# KiCad board PCB0210.kicad_pcb (continued)
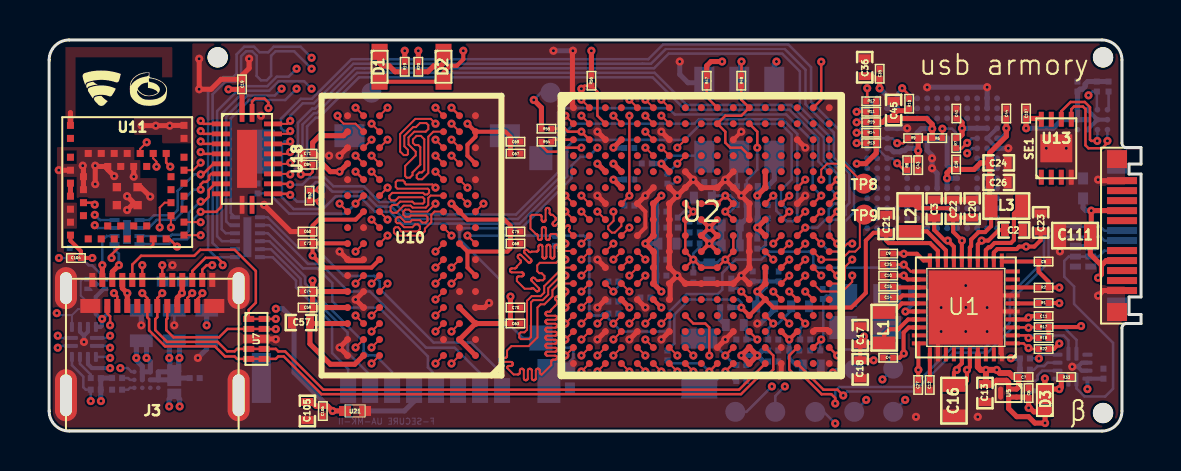
[diagram p0: board, top side]
## Routing (per net, layer and track width the routed paths; a pad name or vN(x,y) marks a point on that pad's centre or on a via; arc(x,y) is an arc through that point) (continued)
  SIGNAL_1 w0.127: v1(12.38,17.13) 12.78,17.53 13.65,17.53 13.8,17.68 14.79,17.68 15.03,17.43 25.5,17.43 25.93,17 25.93,16.53 25.46,16.05 25.46,15.63 25.68,15.41 26.25,15.41 v1(26.63,15.78)
  BOTTOM w0.127: v1(12.38,17.13) 11.82,16.56 10.01,16.56 9.09,15.64 9.09,10.91 U12.12
/microSD/SD1_DATA1_ESD: length 16.4
  BOTTOM w0.127: J1.8 22.66,2.87 21.1,4.43 19.23,4.43 16.53,7.13 16.53,7.5 16.27,7.76 14.74,7.76 13.35,9.15 12.48,9.15 10.93,10.7 U12.1
/microSD/SD1_DATA2: length 34.7
  TOP w0.1: U2.B1 v1(25.83,15.78)
  SIGNAL_1 w0.127: v1(13.13,18.68) 14.78,18.68 15.33,18.13 26.9,18.13 27.26,17.77 27.26,16.61 26.83,16.18 25.97,16.18 25.83,16.04 v1(25.83,15.78)
  BOTTOM w0.127: v1(13.13,18.68) 12.58,19.23 11.24,19.23 10.96,18.95 10.53,18.95 10.25,19.23 9.76,19.23 9.38,18.85 9.38,17.88 9.21,17.71 8.71,17.71 7.95,16.95 7.95,9.09 8.34,8.7 U12.7
/microSD/SD1_DATA2_ESD: length 8.9
  BOTTOM w0.127: J1.1 14.96,3.1 14.16,3.91 14.16,5.39 12.35,7.19 12.35,7.53 11.18,8.7 U12.6
/microSD/SD1_DATA3: length 33.8
  TOP w0.1: U2.A2 v1(26.63,16.58)
  SIGNAL_1 w0.127: v1(13.13,18.13) 15.01,18.13 15.24,17.9 26.81,17.9 27.03,17.68 27.03,16.98 v1(26.63,16.58)
  BOTTOM w0.127: v1(13.13,18.13) 12.25,19 11.33,19 11.11,18.78 11.11,17.77 10.88,17.55 10.6,17.55 10.38,17.77 10.38,18.78 10.16,19 9.86,19 9.61,18.75 9.61,17.78 9.31,17.48 8.81,17.48 8.18,16.85 8.18,9.41 8.49,9.1 U12.8
/microSD/SD1_DATA3_ESD: length 9.7
  BOTTOM w0.127: U12.5 11.1,9.1 12.58,7.62 12.58,7.29 14.93,4.93 14.93,3.93 16.06,2.8 J1.2
/PMIC/LICELL: length 1.3
  TOP w0.203: 44.06,3.88 44.06,2.56 C12.1
/PMIC/VCORE: length 1.3
  TOP w0.203: U1.24 42.69,6.78 42.59,6.68 C14.1
/PMIC/VDIG: length 1.4
  TOP w0.203: C15.1 42.28,7.19 43.56,7.19
/PMIC/VSNVS_3V: length 3
  TOP w0.203: v1(50.54,6.4) 50.53,6.41 R1.1 ; U1.30 43.49,4.36 v1(43.49,3.06) 43.48,3.05 C27.1 ; v1(50.54,4.38) 50.27,4.11 R22.1
/PMIC/VSYS: length 19.4
  TOP w0.203: C3.1 44.28,10.06 44.81,9.53 v1(44.96,9.53) 45.27,9.22 U1.17 ; v1(42.84,5.98) 42.84,5.98 U1.26 ; C2.1 47.52,10.06 46.99,9.53 v1(46.66,9.53) 46.47,9.34 U1.14 ; 47.66,8.48 49.5,8.48 C8.1 49.5,7.97 50,7.47 R2.1 v1(50.54,7.18) ; 45.66,3.83 45.66,3.38 45.41,3.13 v1(45.41,3.06) 45.27,2.92 C16.1 45.68,2.28 45.92,2.52 v1(45.92,3.06) 46.06,3.2 46.06,3.83 ; 44.06,8.77 U1.20 43.75,8.53 43.41,8.87 v1(42.76,8.87) 42.75,8.88 C9.1 ; 44.06,8.48 44.06,8.66 ; U1.28 43,5.19 42.75,4.93 42.75,3.89 v1(42.76,3.88) 42.55,3.67 C4.1
  BOTTOM w0.203: C1.1 43.18,6.32 v1(42.84,5.98)
/Power/NVCC_PLL_OUT: length 2.8
  TOP w0.127: U2.P13 v1(36.23,5.38)
  BOTTOM w0.127: C97.1 37.13,6.03 36.48,5.38 v1(36.23,5.38) 35.98,5.13 C95.1
/USB/DEBUG_B: length 24.6
  TOP w0.127: v1(10.97,16.16) 10.97,16.44 10.77,16.64 10.3,16.64 10.15,16.49 U18.20
  SIGNAL_1 w0.127: v1(10.97,16.16) 10.97,11.95 12.16,10.76 12.16,4.67 11.38,3.89 8.22,3.89 7.52,3.19 4.31,3.19 3.84,3.66 v1(3.05,3.66) 3.13,3.74
  BOTTOM w0.127: v1(3.05,3.66) 3,3.71 U9.3
/USB/TYPEC_A2: length 17.5
  TOP w0.127: v1(7.58,15.52) 7.73,15.37 U18.2
  TOP w0.254: J3.A2 v1(2.66,8.3)
  SIGNAL_1 w0.127: v1(2.66,8.3) 2.66,8.68 0.89,10.45 0.89,13.43 1.4,13.94 5.85,13.94 6.44,14.53 6.44,15.03 6.93,15.52 v1(7.58,15.52) 7.57,15.52
  BOTTOM w0.127: U19.6 2.88,9.76 2.66,9.54 v1(2.66,8.3)
/USB/TYPEC_A3: length 16.8
  TOP w0.127: v1(7.58,15.01) 7.72,14.87 U18.3
  TOP w0.254: v1(3.49,8.3) 3.16,7.97 J3.A3
  SIGNAL_1 w0.127: v1(7.58,15.01) 6.97,15.01 6.67,14.71 6.67,14.44 5.94,13.71 1.49,13.71 1.12,13.34 1.12,10.55 2.46,9.21 3.12,9.21 3.49,8.84 v1(3.49,8.3)
  BOTTOM w0.127: U19.5 3.27,9.08 3.49,8.86 v1(3.49,8.3)
/USB/TYPEC_A10: length 13.5
  TOP w0.127: v1(7.58,12.84) 7.68,12.84 8.21,13.37 U18.6 ; v1(8.68,8.3) 8.68,8.41 8.42,8.67 7.82,8.67 7.16,8.01 J3.A10
  SIGNAL_1 w0.127: v1(8.68,8.3) 8.68,12.12 7.96,12.84 v1(7.58,12.84)
  BOTTOM w0.127: v1(8.68,8.3) 8.68,8.31 ; v1(7.58,12.84) 7.25,12.84 6.43,12.02 6.43,11.06 6.17,10.8 5.25,10.8 5.01,10.56 U19.1
/USB/TYPEC_A11: length 11.5
  TOP w0.127: v1(8.16,8.3) 7.88,8.3 7.66,8.08 J3.A11 ; v1(7.58,12.08) 7.58,12.34 7.71,12.47 7.87,12.47 8,12.6 8,12.76 8.11,12.87 U18.7 8.22,12.87
  SIGNAL_1 w0.127: v1(8.16,8.3) 8.16,11.84 7.92,12.08 v1(7.58,12.08)
  BOTTOM w0.127: v1(7.58,12.08) 7.22,12.08 6.65,11.51 6.65,10.94 6.28,10.57 5.38,10.57 4.97,10.16 U19.2
/USB/TYPEC_B2: length 11.1
  TOP w0.127: U18.9 8.6,11.21 8.36,10.97 v1(7.58,10.97) ; v1(7.67,6.9) 7.67,6.86 7.41,6.6 J3.B2
  SIGNAL_1 w0.127: v1(7.67,6.9) 7.67,8.35 7.21,8.81 7.21,10.6 v1(7.58,10.97)
  BOTTOM w0.127: v1(7.58,10.97) 7.21,10.6 7.21,9.92 6.89,9.6 6.24,9.6 6,9.36 U19.4
/USB/TYPEC_B3: length 11.8
  TOP w0.127: U18.8 8.29,12.37 7.98,12.06 7.98,11.72 7.74,11.48 v1(7.58,11.48) ; v1(7.16,6.9) 6.91,6.65 J3.B3
  SIGNAL_1 w0.127: v1(7.58,11.48) 7.27,11.48 6.88,11.09 6.88,8.49 7.16,8.21 v1(7.16,6.9)
  BOTTOM w0.127: U19.3 6.08,9.76 6.15,9.83 6.8,9.83 6.98,10.01 6.98,10.9 7.56,11.48 v1(7.58,11.48)
/USB/TYPEC_B10: length 15.7
  TOP w0.127: v1(7.58,13.96) 7.67,13.87 U18.5 ; v1(3.24,6.9) 3.41,6.73 J3.B10
  SIGNAL_1 w0.127: v1(7.58,13.96) 7.25,13.96 6.95,13.66 6.95,13.14 5.93,12.12 3.13,12.12 2.92,11.91 2.92,10.94 v1(2.28,10.3) 2.28,10.09 2.49,9.88 3.35,9.88 4.11,9.12 4.11,7.92 3.77,7.58 3.48,7.58 3.24,7.34 v1(3.24,6.9)
  BOTTOM w0.127: v1(2.28,10.3) 2.42,10.16 U19.7
/USB/TYPEC_B11: length 18.6
  TOP w0.127: v1(7.58,14.49) 7.7,14.37 U18.4 ; v1(3.05,5.29) 3.05,5.74 2.91,5.88 J3.B11
  SIGNAL_1 w0.127: v1(7.58,14.49) 7.19,14.49 6.6,13.9 6.6,13.11 5.84,12.35 3.04,12.35 2.69,12 2.69,11.22 2.29,10.82 v1(2.28,10.82) ; v1(3.05,5.29) 3.05,5.95 2.87,6.13 2.87,7.56 3.23,7.92 3.65,7.92 3.87,8.14 3.87,8.97 3.2,9.64 2.41,9.64 1.91,10.14 1.91,10.45 v1(2.28,10.82) ; v1(2.28,10.82) 2.27,10.82
  BOTTOM w0.127: v1(2.28,10.82) 2.54,10.56 U19.8
/USB/USB1_CC: length 13.1
  BOTTOM w0.127: J2.A5 52.8,9.03 52.5,8.73 U6.4 51.01,8.73 50.79,8.51 50.79,7.72 51.28,7.23 51.28,6.36 53.23,4.41 53.23,2.12 52.84,1.73 51.8,1.73 51.4,2.13 U14.1
/USB/USB1_DN: length 24.4
  TOP w0.127: v1(39.33,1.38) 39.33,1.65 39.14,1.84 38.65,1.84 37.71,2.78 37.33,2.78 37.03,3.08 37.03,3.78 U2.T15
  BOTTOM w0.127: J2.A7 52.8,10.03 52.6,10.23 U6.1 50.76,10.23 50.63,10.1 50.15,10.1 49.77,9.72 49.77,8.52 48.07,6.82 48.07,5.42 46.81,4.16 45.16,4.16 43.21,2.2 39.53,2.2 39.33,2 v1(39.33,1.38)
/USB/USB1_DP: length 22
  TOP w0.127: v1(39.73,1.78) 39.44,2.07 38.74,2.07 U2.U15
  BOTTOM w0.127: v1(39.73,1.78) 39.93,1.98 43.3,1.98 45.25,3.93 46.96,3.93 48.31,5.27 48.31,6.73 50,8.43 50,9.63 50.23,9.86 50.63,9.86 50.76,9.73 U6.2 52.6,9.73 52.8,9.53 J2.A6
/USB/USB1_VBUS: length 14.1
  TOP w0.254: 52.65,8.29 52.65,7.84 v1(52.48,7.67) ; 52.65,8.29 52.89,8.53 J2.A4 ; 52.65,8.29 52.09,8.85 C111.1 52.14,9.83 v1(52.14,11.03) J2.A9 ; R33.1 50.64,2.2 v1(50.54,2.1) 50.05,2.1 D3.2 v1(49.82,2.63)
  BOTTOM w0.254: J2.A4 52.89,8.53 52.65,8.29 52.65,7.84 v1(52.48,7.67) ; v1(49.82,2.63) 49.82,2.26 49.57,2.01 R34.1 ; J2.A9 v1(52.14,11.03) 51.87,11.03 51.73,11.17 U15.1
/USB/USB2_CC1: length 20.9
  TOP w0.127: J3.A5 4.16,8.33 4.6,8.77 7.26,8.77 7.56,9.07 9.28,9.07 10.34,8.01 10.34,6.42 9.98,6.06 U7.1 U7.10 v1(11.34,5.61)
  SIGNAL_1 w0.127: v1(11.34,5.61) 10.77,5.61 9.93,4.77 v1(3.05,4.77)
  BOTTOM w0.127: v1(3.05,4.77) 2.94,4.66 U9.1
/USB/USB2_CC2: length 16.4
  TOP w0.127: v1(11.34,5.1) 10.77,5.1 U7.9 U7.2 8.92,5.11 8.5,4.69 6.22,4.69 5.86,5.05 5.86,5.58 5.91,5.63 J3.B5
  SIGNAL_1 w0.127: v1(11.34,5.1) 10.84,5.1 9.91,4.17 v1(3.05,4.17)
  BOTTOM w0.127: v1(3.05,4.17) 2.96,4.26 U9.2
/USB/USB2_DN: length 39
  TOP w0.127: v1(4.66,6.9) 4.91,6.65 J3.B7 4.91,5.69 5,5.6 5,5.04 5.8,4.24 8.29,4.24 8.8,3.73 9.28,3.73 9.4,3.61 U7.5 U7.6 11.34,3.61 11.46,3.73 11.74,3.73 13.63,1.84 34.61,1.84 35.55,2.78 35.93,2.78 36.23,3.08 36.23,3.78 U2.T13 ; v1(5.66,8.3) J3.A7
  SIGNAL_1 w0.127: v1(5.66,8.3) 5.66,7.9 v1(4.66,6.9)
/USB/USB2_DP: length 36.9
  TOP w0.127: v1(5.66,6.9) 5.41,6.65 J3.B6 5.41,5.7 5.31,5.6 5.31,5.05 5.9,4.46 8.43,4.46 8.9,3.99 9.28,3.99 9.4,4.11 U7.4 U7.7 11.34,4.11 11.47,3.98 11.81,3.98 13.72,2.07 34.52,2.07 U2.U13 ; v1(4.66,8.3) J3.A6
  SIGNAL_2 w0.127: v1(4.66,8.3) 4.66,7.9 v1(5.66,6.9)
/USB/USB2_VBUS: length 13.4
  TOP w0.254: J3.A4 3.66,7.15 v1(3.91,6.9) J3.B9 ; J3.A9 6.66,6.92 v1(6.65,6.91) 6.41,6.67 J3.B4
  BOTTOM w0.203: v1(3.05,3.15) 2.14,3.15 1.94,3.35 U9.4
  BOTTOM w0.254: U16.1 6.65,7.44 v1(6.65,6.91) ; 6.26,2.77 6.08,2.96 U8.D1 U8.D2 ; 6.26,2.77 6.05,2.56 U8.D2 ; 6.26,2.77 6.01,3.02 ; 6.26,2.77 6.39,2.65 R32.1 ; 6.26,2.77 6.48,3 6.48,3.62 v1(6.52,3.66) 6.52,4.26 C51.1 6.01,4.27 v1(6.01,3.66) 6.04,3.63 6.04,3 6.26,2.77 ; U8.D2 U8.C2 ; C110.1 v1(7.88,5.29)
/USB/USB_SW_EN: length 11.8
  SIGNAL_2 w0.127: v1(0.49,8.66) 1.05,8.66 1.8,7.91 1.8,5.32 2.33,4.79 2.33,3.2 2.75,2.78 3.21,2.78 3.56,3.13 v1(3.56,3.15)
  BOTTOM w0.127: v1(3.56,3.15) 3.93,3.15 4.12,2.96 U8.A1 ; v1(0.49,8.66) R21.1 1.61,8.66 1.98,8.29 2.15,8.29 2.51,7.93 2.66,7.93 2.75,7.84 U17.4 2.68,7.59
/USB/USB_VBUS: length 7.2
  TOP w0.254: 49.02,1.15 v1(49,1.16) ; v1(49,1.16) 49.07,1.16 49.27,0.96 D3.1 49.83,0.95 v1(49.83,0.4) ; v1(49,1.16) C6.1 48.96,1.7 U5.A2 U5.B2 48,1.12 48.41,0.72 49,0.72 49.32,0.4 v1(49.83,0.4) ; v1(49.83,0.4) 49.82,0.41
  BOTTOM w0.254: v1(6.01,1.23) 6.01,1.61 D4.1 6.53,1.59 v1(6.53,1.23)
A71CH_RESET: length 18
  TOP w0.127: v1(38.63,18.48) 38.63,16.58 U2.A16
  SIGNAL_2 w0.1: v1(38.63,18.48) 50.32,18.48 v1(52,16.8)
  BOTTOM w0.127: v1(52,16.8) 52.19,16.99 R29.2 52.42,16.11 U4.C3
BT_3V3: length 5.4
  TOP w0.203: C23.1 49.61,9.55 49.29,9.23 v1(48.88,9.23) 48.53,9.23 48.41,9.11 47.44,9.11 47.27,8.94 U1.12 ; v1(2.16,8.66) C104.1 1.59,9 1.07,9.52 U11.9
BT_RESET_B: length 49.3
  TOP w0.1: U2.M15 v1(37.83,7.78)
  TOP w0.127: v1(2.28,11.33) 2.18,11.43 U11.12
  SIGNAL_2 w0.1: v1(2.28,11.33) 3.46,10.15 4.07,10.15 5.56,8.66 9.51,8.66 11.7,6.47 11.7,4.61 13.7,2.61 14.23,2.61 15.63,1.21 37.16,1.21 38.02,2.07 38.02,3.28 38.99,4.25 38.99,6.4 37.83,7.56 v1(37.83,7.78) 37.83,7.66
BT_SWDCLK: length 59.2
  TOP w0.1: v1(5.37,13.23) 5.37,13.48 5.21,13.64 U11.39 ; v1(40.18,7.78) 40.18,7.47 39.69,6.98 38.63,6.98 U2.M16
  SIGNAL_2 w0.1: v1(40.18,7.78) 39.79,7.39 39.79,3.47 39.61,3.29 38.6,3.29 38.42,3.11 38.42,1.91 37.32,0.81 15.46,0.81 14.06,2.21 13.47,2.21 11.65,4.03 10.63,4.03 8.66,6 5.97,6 5.22,6.75 5.22,6.98 4.25,7.95 4.25,9.07 4.05,9.27 1.89,9.27 1.71,9.45 1.71,11.81 1.9,12 3.6,12 3.9,12.3 5.26,12.3 5.37,12.41 v1(5.37,13.23)
BT_SWDIO: length 60.3
  TOP w0.1: v1(4.88,14.45) 4.56,14.12 U11.40 ; v1(40.18,9.38) 39.94,9.38 39.54,8.98 U2.K17
  SIGNAL_2 w0.1: v1(40.18,9.38) 40.74,8.82 40.74,7.52 40.19,6.97 40.19,3.11 37.49,0.41 15.3,0.41 13.9,1.81 13.27,1.81 11.45,3.63 10.4,3.63 9.11,4.92 5.86,4.92 4.95,5.83 3.7,5.83 2.79,6.74 2.79,7.48 1.51,8.76 1.51,12.14 2.14,12.77 2.52,12.77 2.93,13.18 3.96,13.18 4.88,14.1 v1(4.88,14.45)
BT_SWITCH_1: length 46.7
  TOP w0.1: v1(7.58,13.43) 7.2,13.05 U11.30
  TOP w0.127: U2.G14 v1(37.03,11.78)
  SIGNAL_2 w0.1: v1(7.58,13.43) 8.15,12.86 8.15,10.46 8.75,9.86 10.01,9.86 12.9,6.97 12.9,5.15 14.24,3.81 14.73,3.81 16.13,2.41 33.06,2.41 33.43,2.78 33.43,7.42 34.85,8.84 34.85,11.02 35.05,11.22 35.05,11.91 35.35,12.21 36.6,12.21 v1(37.03,11.78)
BT_SWITCH_2: length 47.8
  TOP w0.127: v1(6.06,13.23) 5.86,13.44 U11.38 ; U2.H15 v1(37.83,10.98)
  SIGNAL_2 w0.1: v1(37.83,10.98) 37.43,11.38 35.99,11.38 35.05,10.44 35.05,8.76 34.23,7.94 34.23,2.8 33.63,2.21 16.04,2.21 14.64,3.61 14.15,3.61 12.7,5.06 12.7,6.88 9.92,9.66 8.67,9.66 7.95,10.38 7.95,12.24 7.73,12.46 6.83,12.46 v1(6.06,13.23)
BT_UART_CTS: length 57.3
  TOP w0.1: v1(6.09,10.19) 6.09,10.77 U11.34 ; U2.K15 v1(37.83,9.38)
  SIGNAL_2 w0.1: v1(37.83,9.38) 38.23,8.98 38.23,8.46 38.51,8.18 38.85,8.18 39.03,8 39.03,6.65 39.19,6.49 39.19,4.17 38.22,3.2 38.22,1.99 37.24,1.01 15.55,1.01 14.15,2.41 13.57,2.41 11.75,4.23 10.71,4.23 8.74,6.2 6.61,6.2 6.15,6.66 6.15,7.05 5.21,7.99 5.21,8.71 4.44,9.48 2.37,9.48 1.91,9.94 1.91,11.55 2.09,11.73 2.63,11.73 3.78,10.58 5.7,10.58 v1(6.09,10.19)
BT_UART_DSR: length 49.6
  TOP w0.1: v1(7.58,10.45) 7.58,10.45 U11.26
  TOP w0.127: U2.H17 v1(39.43,10.98)
  SIGNAL_2 w0.1: v1(7.58,10.45) 7.22,10.09 7.22,9.64 7.6,9.26 9.76,9.26 12.3,6.72 12.3,4.9 13.99,3.21 14.48,3.21 15.88,1.81 36.91,1.81 37.42,2.32 37.42,5.51 36.98,5.95 36.38,5.95 35.8,6.53 35.8,9.55 36.03,9.78 38.23,9.78 v1(39.43,10.98)
  BOTTOM w0.1: v1(7.58,10.45) 7.58,10.46
BT_UART_DTR: length 45.5
  TOP w0.1: v1(7.58,9.8) 6.75,9.8 U11.25
  TOP w0.127: U2.H16 v1(38.63,10.98)
  SIGNAL_2 w0.1: v1(7.58,9.8) 7.92,9.46 9.84,9.46 12.5,6.8 12.5,4.98 14.07,3.41 14.56,3.41 15.96,2.01 35.42,2.01 35.82,2.41 35.82,5.68 35.03,6.47 35.03,7.67 35.6,8.24 35.6,9.63 36.55,10.58 U2.H16 v1(38.63,10.98)
BT_UART_RTS: length 47.9
  TOP w0.1: U11.35 5.78,11.43 5.53,11.18 v1(5.53,10.19) ; U2.L16 v1(38.63,7.78)
  SIGNAL_2 w0.1: v1(38.63,7.78) U2.L16 37.66,8.18 37.43,7.95 37.43,6.68 38.39,5.72 38.39,5.09 37.82,4.52 37.82,2.15 37.08,1.41 15.71,1.41 14.31,2.81 13.8,2.81 11.9,4.71 11.9,6.55 9.59,8.86 6.12,8.86 5.53,9.45 v1(5.53,10.19) 5.5,10.16
BT_UART_RX: length 56.4
  TOP w0.1: TP9.1 40.56,10.61 40.56,9.21 40.33,8.98 40.03,8.98 39.63,8.58 v1(38.63,8.58) U2.K16
  TOP w0.127: U11.19 5.21,9.33 5.09,9.21 3.5,9.21 3.12,8.83 v1(3.12,8.66)
  SIGNAL_2 w0.1: v1(3.12,8.66) 3.67,8.66 4.01,8.32 4.01,7.54 4.28,7.27 4.28,6.75 4.89,6.14 5.36,6.14 5.74,5.76 8.57,5.76 10.5,3.83 11.53,3.83 13.35,2.01 13.98,2.01 15.38,0.61 37.41,0.61 39.99,3.19 39.99,7.05 40.54,7.6 40.54,7.93 40.29,8.18 39.83,8.18 39.43,8.58 v1(38.63,8.58)
BT_UART_TX: length 52.7
  TOP w0.1: TP8.1 39.76,13.38 38.93,13.38 38.63,13.08 v1(38.63,12.58) ; v1(37.03,9.38) U2.K14
  TOP w0.127: v1(6.4,9.23) 6.02,9.61 U11.20
  SIGNAL_1 w0.1: v1(38.63,12.58) 38.23,12.18 38.23,11.68 37.93,11.38 37.63,11.38 37.43,11.18 37.43,9.78 v1(37.03,9.38)
  SIGNAL_2 w0.1: v1(37.03,9.38) U2.K14 36.63,6.63 37.33,5.93 37.81,5.93 38.19,5.55 38.19,5.17 37.62,4.6 37.62,2.24 36.99,1.61 15.8,1.61 14.4,3.01 13.89,3.01 12.1,4.8 12.1,6.64 9.68,9.06 6.57,9.06 v1(6.4,9.23)
DCDC_3V3: length 80.7
  TOP w0.203: U1.15 46.06,9.19 46.13,9.25 46.13,9.58 46.5,9.95 46.83,9.95 47.13,10.25 47.13,11 47.06,11.07 ; 2.69,5.65 v1(2.65,5.61) ; C11.1 49.08,5.75 v1(49,5.68) 48.91,5.58 U1.4 ; v1(51.63,5.25) 51.58,5.2 R17.1 R18.1
  TOP w0.254: v1(44.18,15.13) 44.19,15.12 R6.1 R9.1 v1(43.48,14.03) C43.1 R8.1 ; v1(44.18,15.13) 44.16,15.15 ; v1(44.18,15.13) 44.18,15.36 43.9,15.64 42.27,15.64 C45.1 ; R15.1 R14.1 R13.1 41.38,13.91 40.86,13.38 v1(40.41,13.38) ; R15.1 R11.1 R12.1 ; R15.1 41.71,15.45 41.87,15.62 C45.1 ; C45.1 42.25,15.85 42.43,16.03 42.93,16.03 R10.1 ; v1(24.25,16.57) 24.63,16.19 R55.1 ; v1(33.67,18.49) 33.12,18.49 32.9,18.27 R47.2 ; U13.8 49.6,15.64 C107.1 v1(48.88,15.15) ; v1(8.97,17.1) C19.1 U18.1 ; C24.1 46.6,13.42 46.27,13.09 C39.1 45.09,13.09 44.93,12.92 v1(44.93,12.65) ; C24.1 47.06,13.92 47.89,14.75 v1(47.89,15.15) C44.1 ; C24.1 C26.1 47.06,11.33 L3.2 ; R7.1 45.5,14.66 45.68,14.83 v1(45.68,15.15) 45.68,15.44 45.47,15.64 C41.1 ; v1(35.43,11.78) U2.F13 U2.E13 ; C105.1 13.13,1.45 13.34,1.25 13.94,1.25 v1(14.18,1) U21.1 ; v1(28.23,14.18) U2.C4 ; R56.1 v1(27.13,19.03) ; U2.H13 v1(35.43,10.18) U2.J13 ; U2.E7 v1(30.63,13.38) ; U2.F4 v1(28.23,12.58)
  BOTTOM w0.127: SW1.4 32.73,13.78 31.03,13.78 v1(30.63,13.38) ; TP11.1 24.61,16.93 v1(24.25,16.57)
  BOTTOM w0.203: v1(2.65,5.61) 2.64,5.59 2.64,5.27 2.58,5.21 U9.12 2.34,5.3 ; v1(2.65,5.61) 2.59,5.61 2.33,5.86 R24.1 2.33,6.72 2.73,7.11 2.75,7.11 ; v1(2.65,5.61) 2.91,5.86 C109.1 ; C108.1 U14.12 v1(51.95,2.1)
  BOTTOM w0.254: v1(44.18,15.13) 43.63,15.13 43.43,14.93 U3.F5 ; 45.66,15.13 v1(45.68,15.15) U3.M4 U3.N4 ; C48.1 28.24,12.59 v1(28.23,12.58) ; C37.1 28.25,14.16 v1(28.23,14.18) ; v1(30.63,13.38) 30.16,13.38 C34.1 ; v1(35.43,11.78) 35.45,11.76 C46.1 C33.1 35.43,10.62 v1(35.43,10.18) C47.1 ; v1(35.43,11.78) 35.46,11.8 C55.1 ; v1(35.43,11.78) 35.45,11.8 ; v1(43.48,14.03) 43.36,14.15 U3.E6 42.81,14.03 42.65,14.03 42.59,13.97 42.25,13.97 42.07,14.15 U3.C6 ; SW1.3 36.28,18.38 v1(36.39,18.49) ; U4.B1 50.66,15.58 50.23,15.15 v1(48.88,15.15) ; U4.B1 U4.C1 C5.1 51.57,17.11 51.7,17.11 51.83,17.24 51.83,17.36 51.96,17.49 R29.1 R4.1 ; U4.B1 U4.B2 ; v1(48.12,3.64) 48.13,3.63 R57.1 R28.1 ; v1(2.59,1.5) 2.58,1.51 R58.1 R23.1 R25.1 ; U3.P5 47.66,14.65 47.89,14.88 47.89,15.48 47.72,15.65 U3.P3 ; v1(11.34,6.12) 11.69,6.12 12.25,5.55 12.25,2.93 v1(14.18,1) 17.78,1 18.26,1.49 J1.4 ; U3.J10 44.93,12.64 v1(44.93,12.65) U3.K9
DDR_1V35: length 65.6
  TOP w0.203: 20.93,8.98 20.93,8.18 U10.F1 ; 20.93,8.98 U10.H2 ; 20.93,8.98 22.93,8.98 23.08,9.13 C68.1 ; U10.K2 20.93,10.58 22.78,10.58 23.08,10.28 C75.1 ; U10.R1 21.33,14.73 20.93,14.33 20.93,13.78 U10.N1 ; U10.R1 22.83,14.98 23.08,14.73 C69.1 ; U10.R1 v1(20.93,15.38) ; C60.1 13.18,10.28 13.48,10.58 15.33,10.58 U10.K8 ; C22.1 45.23,10.95 45.03,11.15 43.45,11.15 L2.2 ; C22.1 C20.1 ; C22.1 45.23,9.97 v1(45.67,9.53) 45.66,9.52 45.66,8.53 ; C10.1 v1(42.76,7.78) 42.96,7.58 43.56,7.58 ; U10.G7 16.13,8.18 13.78,8.18 v1(13.18,8.78) C73.1 13.19,9.39 14.92,9.39 U10.H9
  TOP w0.254: U10.R9 14.73,14.78 13.53,14.78 13.18,14.43 C71.1 13.32,13.88 13.62,13.58 13.62,13.43 14.07,12.98 v1(14.53,12.98) U10.N9 ; C57.1 13.05,4.36 14.07,3.34 15.29,3.34 U10.A8 ; C57.1 13.1,5.38 U10.C9 ; C57.1 13.05,5.75 13.18,5.88 C59.1 ; C59.1 U10.D9 ; C59.1 C74.1 ; C69.1 C67.1 ; U10.C1 C63.1 C70.1 v1(23.08,6.73) ; U10.C1 U10.B2 U10.A1 ; U10.C1 U10.D2 ; v1(30.63,6.98) U2.M6 30.27,7.42 30.27,8.14 U2.L6 30.27,8.22 30.27,8.94 U2.K6 v1(29.83,9.38) U2.J6 U2.H6 U2.G6 v1(30.63,11.78) ; C60.1 C73.1 ; U10.K2 v1(20.13,11.38) ; U10.E9 C74.1 ; C74.1 v1(13.18,7.53) ; C75.1 C68.1
  BOTTOM w0.254: v1(30.63,6.98) 30.38,7.23 C82.1 C81.1 C79.1 30.38,11.53 v1(30.63,11.78) ; v1(29.83,9.38) C77.1
DDR_VREF: length 43.6
  TOP w0.1: U2.P4 v1(28.23,5.38) ; v1(20.93,9.78) U10.H1
  TOP w0.127: C84.1 13.18,12.96 13.06,12.84 v1(12.59,12.84) ; C25.1 v1(42.76,8.33) 43.11,7.98 43.56,7.98 ; U10.M8 v1(15.33,12.98)
  GND_POWER_1 w0.127: v1(12.59,12.84) 13.13,13.38 14.93,13.38 v1(15.33,12.98) 17.43,10.88 19.83,10.88 v1(20.93,9.78)
  BOTTOM w0.127: v1(42.76,8.33) 42.61,8.18 38.43,8.18 38.23,8.38 38.23,8.78 38.03,8.98 36.03,8.98 35.63,8.58 34.36,8.58 33.68,7.91 33.68,7.08 33.46,6.86 31.91,6.86 31.05,6 31.05,5.18 30.86,4.98 28.63,4.98 v1(28.23,5.38) 27.98,5.63 C66.1 27.71,5.88 27.61,5.78 27.21,5.78 27.03,5.95 27.03,9.51 26.76,9.78 v1(20.93,9.78)
I2C1_SCL: length 96.8
  TOP w0.127: R17.2 49.03,5.2 v1(49,5.17) 48.99,5.19 U1.3 ; v1(52.44,14.52) 52.14,14.52 52.08,14.58 52.08,16.2 51.81,16.47 51.11,16.47 50.64,16 U13.6 ; v1(37.03,8.58) U2.L14
  SIGNAL_1 w0.127: v1(37.03,8.58) 37.31,8.58 37.71,8.18 39.03,8.18 39.83,8.98 41.92,8.98 45.13,12.19 50.73,12.19 52.44,13.89 ; 52.44,13.89 52.44,13.9 ; 52.44,13.89 52.44,14.52 v1(52.44,14.52)
  GND_POWER_1 w0.127: v1(37.03,8.58) U2.L14 36.63,6.79 36.42,6.58 35.25,6.58 35.03,6.8 35.03,7.19 34.85,7.37 24.53,7.37 23.22,8.68 23.22,14.33 20.48,17.07 14.43,17.07 14.12,16.76 10.44,16.76 8.99,15.31 8.99,10.69 7.73,9.43 7.05,9.43 6.65,9.83 6.16,9.83 5.76,9.43 2.04,9.43 1.56,8.95 1.56,6.36 1.12,5.92 0.92,5.92 0.43,5.43 v1(0.43,4.77)
  SIGNAL_2 w0.127: v1(52.44,14.52) 52.44,13.9 51.31,12.77 51.31,6.3 50.18,5.17 v1(49,5.17)
  BOTTOM w0.127: U14.8 51.4,4.56 50.79,5.17 v1(49,5.17) ; v1(0.43,4.77) 0.54,4.66 U9.8 ; v1(52.44,14.52) 52.45,14.53 U4.A3
I2C1_SDA: length 97.8
  TOP w0.127: R18.2 49,4.66 v1(49,4.66) 48.88,4.78 U1.2 ; v1(52.95,14.52) 52.95,14.42 52.68,14.15 52,14.15 51.85,14.3 51.85,16.11 51.72,16.24 51.28,16.24 51.14,16.1 U13.5 ; U2.L17 v1(39.43,7.78)
  SIGNAL_1 w0.127: v1(39.43,7.78) 39.83,8.18 41.44,8.18 45.22,11.96 50.83,11.96 52.95,14.08 v1(52.95,14.52)
  GND_POWER_1 w0.127: v1(39.43,7.78) U2.L17 37.61,8.18 37.43,8 37.43,6.83 36.95,6.35 35.16,6.35 34.93,6.58 24.91,6.58 22.97,8.52 22.97,14.22 20.35,16.84 14.52,16.84 14.21,16.53 10.53,16.53 9.22,15.22 9.22,10.6 7.82,9.2 6.96,9.2 6.56,9.6 6.25,9.6 5.85,9.2 2.13,9.2 1.79,8.86 1.79,6.27 1.21,5.69 1.02,5.69 0.81,5.48 0.81,4.55 v1(0.43,4.17)
  SIGNAL_2 w0.127: v1(49,4.66) 49.12,4.78 50.11,4.78 51.54,6.21 51.54,12.68 52.95,14.09 v1(52.95,14.52)
  BOTTOM w0.127: v1(49,4.66) 49.12,4.78 50.76,4.78 51,4.54 U14.7 ; v1(0.43,4.17) 0.52,4.26 U9.7 ; v1(52.95,14.52) U4.A4
LDO2_3V3: length 54.9
  TOP w0.203: v1(20.72,19.03) 20.72,18.6 20.4,18.28 20.06,18.28 19.73,17.95 D2.2 D1.2 ; U1.19 44.47,9.02 44.08,9.41 42,9.41 41.88,9.53 C21.1 41.25,9.92 40.86,9.53 40.86,6.91 40.13,6.18 36.23,6.18 U2.N13 ; 44.47,8.48 44.47,8.75 ; U2.N13 v1(35.43,6.98) ; U2.N13 U2.P12 v1(34.63,6.18)
  TOP w0.254: U2.L13 U2.M13 v1(35.43,6.98)
  GND_POWER_1 w0.203: v1(35.43,6.98) 35.43,8.58 33.03,10.98 33.03,15.68 30.63,18.08 24.63,18.08 23.68,19.03 v1(20.72,19.03)
  BOTTOM w0.127: R3.1 31.28,4.38 31.28,5.83 32.03,6.58 34.48,6.58 34.63,6.43 v1(34.63,6.18)
  BOTTOM w0.203: C38.1 35.85,7.2 35.63,6.98 v1(35.43,6.98) 35.43,6.29 C85.1 ; C38.1 C40.1 ; C38.1 C86.1
  BOTTOM w0.254: v1(34.63,6.18) 34.09,6.18 C91.1
PMIC_WDI: length 19.7
  TOP w0.127: R22.2 49.05,4.11 v1(49,4.15) 48.99,4.15 48.75,4.38 U1.1 ; U2.F15 v1(37.83,12.58)
  SIGNAL_2 w0.127: v1(49,4.15) 43.85,4.15 41.48,6.52 41.48,11.25 39.76,12.97 38.22,12.97 v1(37.83,12.58)
SD1_CD_B: length 30.7
  TOP w0.127: v1(36.23,9.38) U2.J14
  SIGNAL_1 w0.127: v1(36.23,9.38) 34.88,9.38 32.08,12.18 31.21,12.18 29.61,13.78 27.83,13.78 v1(27.43,14.18)
  BOTTOM w0.127: v1(27.43,14.18) 26.97,13.72 26.57,13.72 26.14,13.29 26.14,12.66 23.63,10.15 20.71,10.15 20.53,9.97 20.53,9.6 22.52,7.61 22.52,5.83 23.69,4.66 J1.SW 25.13,4.66 25.61,4.18 26.06,4.18 26.23,4 26.23,3.66 26.06,3.48 U20.1
UART2_CTS: length 40.2
  TOP w0.1: v1(12.06,13.96) 11.97,13.87 U18.16
  TOP w0.127: U2.J15 v1(37.83,10.18)
  BOTTOM w0.127: 15.7,18.15 15.8,18.15 ; 15.8,18.15 15.31,18.15 13.3,16.14 13.16,16.14 12.45,15.43 12.45,14.35 v1(12.06,13.96) ; 15.8,18.15 30.26,18.15 31,18.89 36.67,18.89 37.56,18 37.56,16.23 39.01,14.78 39.01,13.61 39.81,12.8 39.81,11.59 39.61,11.38 39.28,11.38 39,11.11 39,10.75 38.44,10.18 v1(37.83,10.18)
UART2_RTS: length 38.6
  TOP w0.1: v1(12.06,14.49) 11.94,14.37 U18.17
  TOP w0.127: U2.H14 v1(37.03,10.98)
  BOTTOM w0.127: v1(37.03,10.98) 36.62,11.39 36.62,12.05 37.15,12.58 37.15,14.83 36.61,15.37 32.6,15.37 31.8,14.57 26.28,14.57 25.91,14.2 25.91,12.75 23.54,10.38 17.65,10.38 17.06,10.97 16.31,10.97 15.53,11.75 14.34,11.75 13.7,11.11 12.23,11.11 11.65,11.69 11.65,14.36 11.78,14.49 v1(12.06,14.49)
UART2_RX: length 42.5
  TOP w0.1: v1(12.06,15.01) 11.92,14.87 U18.18
  TOP w0.127: U2.J16 v1(38.63,9.38)
  BOTTOM w0.127: v1(12.06,15.01) 11.75,15.01 11.6,15.16 11.6,15.63 12.6,16.63 13.15,16.63 15.13,18.61 29.98,18.61 30.71,19.34 36.99,19.34 38.12,18.21 38.12,16.47 39.52,15.07 39.52,13.74 40.27,12.99 40.27,10.94 39.81,10.48 39.81,9.21 39.58,8.98 39.03,8.98 v1(38.63,9.38)
UART2_TX: length 39.8
  TOP w0.1: v1(12.06,15.52) 11.91,15.37 U18.19
  TOP w0.127: U2.J17 v1(39.43,9.38)
  BOTTOM w0.1: 36.81,19.11 30.84,19.11
  BOTTOM w0.127: 30.84,19.11 30.11,18.38 29.67,18.38 ; 29.67,18.38 15.22,18.38 13.24,16.4 12.69,16.4 12.06,15.77 v1(12.06,15.52) ; 29.67,18.38 29.76,18.38 ; 36.81,19.11 37.84,18.08 37.84,16.36 39.26,14.94 39.26,13.68 40.04,12.9 40.04,11.41 39.84,11.21 39.84,10.83 39.58,10.57 39.19,10.57 39.05,10.43 39.05,9.76 v1(39.43,9.38)
UART4_RX: length 36.1
  TOP w0.127: v1(12.06,12.33) 12.02,12.37 U18.13 ; U2.G16 v1(38.63,11.78)
  BOTTOM w0.127: v1(38.63,11.78) 38.2,12.21 38.2,14.52 36.88,15.84 31.3,15.84 30.98,16.16 25.68,16.16 25.46,15.94 25.46,12.94 23.36,10.84 17.85,10.84 17.23,11.46 16.53,11.46 15.74,12.25 14.22,12.25 13.78,12.69 13.03,12.69 12.67,12.33 v1(12.06,12.33)
UART4_TX: length 35.3
  TOP w0.1: v1(12.06,12.84) 12.03,12.87 U18.14
  TOP w0.127: v1(39.43,11.78) U2.G17
  BOTTOM w0.127: v1(39.43,11.78) 39.06,12.15 39.06,12.91 38.48,13.49 38.48,14.64 37.04,16.08 31.81,16.08 30.19,17.7 15.5,17.7 13.49,15.68 13.35,15.68 12.9,15.24 12.9,13.68 v1(12.06,12.84)
UART5_RX: length 38.4
  TOP w0.127: v1(12.06,11.82) 12.01,11.87 U18.12 ; U2.G13 v1(36.23,11.78)
  BOTTOM w0.127: 14.13,12.02 14.06,12.09 ; 14.06,12.09 14.17,11.98 15.67,11.98 16.42,11.23 17.12,11.23 17.74,10.61 23.45,10.61 25.69,12.85 25.69,14.8 26.27,15.38 32.29,15.38 32.51,15.6 36.7,15.6 37.43,14.87 37.43,10.72 37.21,10.5 36.9,10.5 36.38,11.02 36.38,11.63 v1(36.23,11.78) ; 14.06,12.09 13.69,12.46 13.34,12.46 13.14,12.26 13.14,11.76 12.86,11.48 12.4,11.48 v1(12.06,11.82)
UART5_TX: length 34.5
  TOP w0.1: v1(12.06,13.43) 12,13.37 U18.15
  TOP w0.127: v1(39.43,12.58) U2.F17
  BOTTOM w0.127: v1(12.06,13.43) 12.68,14.05 12.68,15.34 13.25,15.91 13.39,15.91 15.41,17.93 30.29,17.93 31.9,16.32 37.12,16.32 38.76,14.68 38.76,13.54 39.43,12.87 v1(39.43,12.58)
USB1_INT_B: length 18
  TOP w0.127: v1(36.23,8.58) U2.K13
  SIGNAL_1 w0.127: v1(36.23,8.58) 36.63,8.18 37.25,8.18 37.43,8 37.43,7.61 37.66,7.38 40.19,7.38 44.07,3.5 47.63,3.5 48,3.13 49.02,3.13 v1(49.52,3.63)
  BOTTOM w0.127: U14.6 49.71,3.82 v1(49.52,3.63) R57.2
USB2_ID: length 59.6
  TOP w0.1: v1(40.18,8.58) 39.81,8.21 39.81,7.59 39.6,7.38 U2.M17
  SIGNAL_2 w0.1: v1(40.18,8.58) 39.8,8.96 39.8,9.51 40.03,9.74 40.42,9.74 40.94,9.22 40.94,7.43 40.39,6.88 40.39,3.03 37.57,0.21 5.68,0.21 4.05,1.84 2.88,1.84 1.1,3.62 1.1,5.18 v1(0.38,5.9)
  BOTTOM w0.1: 1.14,5.8 1.45,6.11 R24.2 1.83,6.53 1.58,6.78 1.58,7.5 1.67,7.59 U17.2 ; 1.14,5.8 0.48,5.8 v1(0.38,5.9) ; 1.14,5.8 U9.9
